# KiCad board LTC6811_ESP32_V5_Main.kicad_pcb (continued)
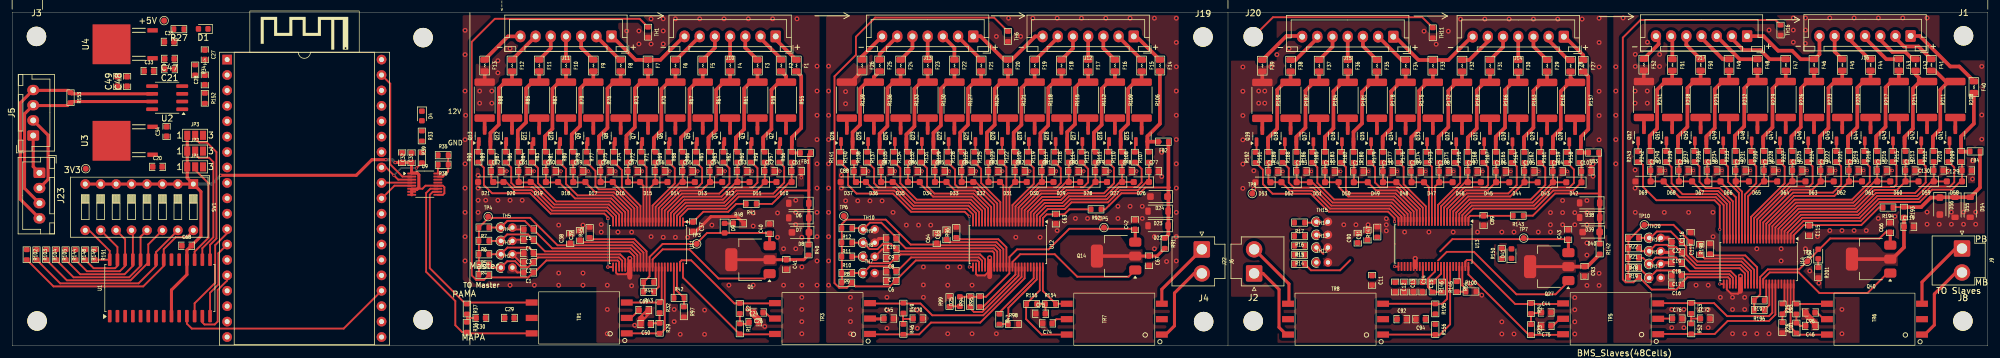
[diagram p0: board, top side]
## Routing (per net, layer and track width the routed paths; a pad name or vN(x,y) marks a point on that pad's centre or on a via; arc(x,y) is an arc through that point) (continued)
/Slaves/LTC6811_3/cell2/S: length 25.5
  Top w0.3: 228.55,20.48 228.55,21.33 226.76,23.12 216.99,23.12 214.04,26.07 210.84,26.07 210,26.92 210,29.27 209.03,30.25 R189.1
/Slaves/LTC6811_3/cell3/C: length 21.3
  Top w0.3: R185.1 D51.1 D50.2 218.2,26.2 219.78,24.62 227.38,24.62 230.05,21.95 230.05,20.48
/Slaves/LTC6811_3/cell3/C+: length 15.4
  Top w0.6: F36.2 R181.1 218.82,43.43 217.35,41.96 217.35,35.86 215.95,34.46 Q37.2 215.95,31.92 R185.2
/Slaves/LTC6811_3/cell3/S: length 21.9
  Top w0.3: R186.1 214.7,29.42 214.7,26.87 217.45,24.12 227.17,24.12 229.55,21.74 229.55,20.48
/Slaves/LTC6811_3/cell4/C: length 17.4
  Top w0.3: 231.05,20.48 231.05,22.36 227.79,25.62 224.35,25.62 D49.2 D50.1 R182.1
/Slaves/LTC6811_3/cell4/C+: length 15.5
  Top w0.6: R182.2 220.65,31.95 Q36.2 220.65,35.26 222.05,36.66 222.05,41.86 223.62,43.43 R178.1 F35.2
/Slaves/LTC6811_3/cell4/S: length 19.2
  Top w0.3: 230.55,20.48 230.55,22.16 227.59,25.12 219.99,25.12 219.4,25.71 219.4,29.45 R183.1
/Slaves/LTC6811_3/cell5/C: length 13.9
  Top w0.3: R179.1 D49.1 227.86,26.97 232.05,22.78 232.05,20.48
/Slaves/LTC6811_3/cell5/C+: length 15.4
  Top w0.6: R179.2 225.45,31.95 Q35.2 225.45,34.46 226.85,35.86 226.85,41.96 228.32,43.43 R175.1 F34.2
/Slaves/LTC6811_3/cell5/S: length 14.9
  Top w0.3: R180.1 224.2,29.45 224.2,26.92 224.99,26.12 228,26.12 231.55,22.57 231.55,20.48
/Slaves/LTC6811_3/cell6/C: length 12.1
  Top w0.3: R176.1 D48.1 D47.2 233.05,26.17 233.05,20.48
/Slaves/LTC6811_3/cell6/C+: length 15.3
  Top w0.6: R176.2 230.18,31.92 Q34.2 230.18,34.38 231.45,35.66 231.45,42.06 232.82,43.43 R172.1 F33.2
/Slaves/LTC6811_3/cell6/S: length 11.6
  Top w0.3: 232.55,20.48 232.55,22.98 228.9,26.63 228.9,29.47 228.12,30.25
/Slaves/LTC6811_3/cell7/C: length 12.2
  Top w0.3: D46.2 234.82,26.97 ; R173.1 D47.1 234.05,26.27 234.05,20.48
/Slaves/LTC6811_3/cell7/C+: length 15.5
  Top w0.6: F32.2 R169.1 237.62,43.43 236.25,42.06 236.25,36.06 234.65,34.46 Q33.2 234.65,32 R173.2
/Slaves/LTC6811_3/cell7/S: length 10.2
  Top w0.3: 232.65,30.25 232.82,30.25 233.55,29.52 233.55,20.48
/Slaves/LTC6811_3/cell8/C: length 14
  Top w0.3: 235.05,20.48 235.05,23.01 239.01,26.97 D46.1 ; D46.1 R170.1 ; D46.1 D45.2
/Slaves/LTC6811_3/cell8/C+: length 15.4
  Top w0.6: R170.2 Q32.2 239.45,34.36 240.93,35.83 240.93,42.13 242.23,43.43 R166.1 F31.2
/Slaves/LTC6811_3/cell8/S: length 11.6
  Top w0.3: R171.1 238.2,29.4 238.2,26.87 237.46,26.12 237.45,26.12 234.55,23.22 234.55,20.48
/Slaves/LTC6811_3/cell9/S: length 15.2
  Top w0.3: R168.1 242.8,29.45 242.8,26.51 242.41,26.12 238.87,26.12 235.55,22.8 235.55,20.48
/Slaves/LTC6811_3/cell10/C: length 20.9
  Top w0.3: R164.1 D44.1 ; D44.1 246.44,24.62 239.49,24.62 237.05,22.18 237.05,20.48 ; D44.1 D43.2
/Slaves/LTC6811_3/cell10/C+: length 15.5
  Top w0.6: F29.2 R160.1 251.61,43.42 250.25,42.06 250.25,35.96 248.7,34.41 Q30.2 248.7,31.96 R164.2
/Slaves/LTC6811_3/cell10/C-: length 15.4
  Top w0.6: R167.2 244.05,31.95 Q31.2 244.05,34.46 245.57,35.98 245.57,42.18 246.82,43.43 R163.1 F30.2
/Slaves/LTC6811_3/cell10/CM: length 17.4
  Top w0.3: D45.1 244.06,26.97 242.71,25.62 239.08,25.62 236.05,22.59 236.05,20.48 ; D45.1 246.26,26.97 D44.2 ; D45.1 R167.1
/Slaves/LTC6811_3/cell10/S: length 18.7
  Top w0.3: 236.55,20.48 236.55,22.39 239.28,25.12 246.11,25.12 247.5,26.51 247.5,29.57 246.84,30.23 246.73,30.23
/Slaves/LTC6811_3/cell11/C: length 24.3
  Top w0.3: D43.1 250.11,23.62 239.91,23.62 238.05,21.77 238.05,20.48 ; D43.1 D42.2 ; D43.1 R161.1
/Slaves/LTC6811_3/cell11/C+: length 15.7
  Top w0.6: F28.2 256.35,44.17 R157.1 256.21,43.42 254.75,41.96 254.75,35.76 253.45,34.46 Q29.2 R161.2
/Slaves/LTC6811_3/cell11/S: length 22.1
  Top w0.3: 237.55,20.48 237.55,21.97 239.7,24.12 249.81,24.12 252.2,26.51 252.2,29.38 R162.1
/Slaves/LTC6811_3/cell12/C: length 25.6
  Top w0.3: 258.15,30.23 D42.1 256.8,25.61 253.51,25.61 250.53,22.62 240.32,22.62 239.05,21.35 239.05,20.48
/Slaves/LTC6811_3/cell12/C+: length 15.5
  Top w0.6: FB3.2 258.05,31.86 Q28.2 258.05,34.46 259.27,35.68 259.27,44.4 F27.2
/Slaves/LTC6811_3/cell12/S: length 25.5
  Top w0.3: R159.1 256.9,29.08 256.9,26.85 256.16,26.11 253.31,26.11 250.32,23.12 240.11,23.12 238.55,21.56 238.55,20.48
/Slaves/LTC6811_3/DRIVE: length 26
  Top w0.3: Q27.1 256,10.61 253.89,8.5 247.45,8.5 240.45,15.5 235.99,15.5 234.55,14.06
/Slaves/LTC6811_3/IMA: length 16.2
  Top w0.3: 236.05,13.06 236.05,7.75 235.24,6.94 TR8.3
/Slaves/LTC6811_3/IMB: length 20.1
  Top w0.3: TR5.4 255.03,6.9 247.25,6.9 240,14.15 239.3,14.15 239.05,13.9 239.05,13.06
/Slaves/LTC6811_3/IPA: length 21.2
  Top w0.3: TR8.1 234.86,1.86 236.55,3.55 236.55,13.06
/Slaves/LTC6811_3/IPB: length 21
  Top w0.3: 239.55,13.06 239.55,11.76 249.49,1.82 255.03,1.82 TR5.6
/Slaves/LTC6811_3/T1: length 41.2
  Top w0.3: R13.2 213.66,12.45 218.44,12.45 220.11,14.12 ; TH11.1 231.96,54.16 207.41,54.16 203.45,50.2
/Slaves/LTC6811_3/T2: length 0.4
  Top w0.3: 227.7,10.47 228,10.78
/Slaves/LTC6811_3/T3: length 1.6
  Top w0.3: 215.69,15.15 214.54,16.3
/Slaves/LTC6811_3/T5: length 4.6
  Top w0.3: U13.33 232.05,10.53 C15.1 ; 214.53,20.26 214.54,20.25 ; R17.1 214.53,20.31
/Slaves/LTC6811_3/Vreg: length 30.6
  Top w0.3: 234.9,15.57 236.91,17.58 C43.1 ; U13.37 234.05,12.25 232.88,11.07 232.88,9.7 R146.2 R145.2 ; 246.7,16 246.69,15.99
  Top w0.5: 256,17.53 Q27.3
/Slaves/LTC6811_4/BAT+: length 21.2
  Top w0.3: R193.1 309.57,22.87 309.5,22.8
  Top w0.6: R193.1 314.02,22.87 315.6,24.44 D56.1 317.15,24.49 D54.1 323.7,26.09 323.7,31.78
/Slaves/LTC6811_4/C1: length 3.9
  Top w0.6: J17.1 273.1,50.84 F51.1
/Slaves/LTC6811_4/C1_G: length 4.8
  Top w0.6: F52.1 270.85,49.73 270.85,51.04
/Slaves/LTC6811_4/C2: length 4.8
  Top w0.6: F50.1 275.4,49.59 J17.2
/Slaves/LTC6811_4/C3: length 6.3
  Top w0.6: J17.3 277.9,50.74 281.4,47.24 F49.1
/Slaves/LTC6811_4/C4: length 8.3
  Top w0.6: F48.1 284.18,47.24 280.4,51.02
/Slaves/LTC6811_4/C5: length 10.7
  Top w0.6: F47.1 289.1,47.24 287.6,48.74 284.8,48.74 282.9,50.64 J17.5
/Slaves/LTC6811_4/C6: length 16.4
  Top w0.6: 285.85,51.04 288.1,51.04 290.5,48.64 292.8,48.64 294.2,47.24 F46.1 296.5,47.24 297.3,48.04 J16.0
/Slaves/LTC6811_4/C7: length 4.3
  Top w0.6: J16.1 299.8,48.49 F45.1
/Slaves/LTC6811_4/C8: length 5.4
  Top w0.6: F44.1 305.5,47.24 302.3,50.44 J16.2
/Slaves/LTC6811_4/C9: length 7.3
  Top w0.6: J16.3 304.8,50.74 308.3,47.24 F43.1
/Slaves/LTC6811_4/C10: length 7.8
  Top w0.6: J16.4 307.3,50.44 309.3,48.44 311.43,48.44 312.63,47.24 F42.1
/Slaves/LTC6811_4/C11: length 7.7
  Top w0.6: J16.5 309.8,50.74 311.2,49.34 313.6,49.34 F41.1
/Slaves/LTC6811_4/C12: length 13.5
  Top w0.6: F40.1 322.7,43.64 320.3,46.04 318.82,46.04 313.8,51.07 J16.6
/Slaves/LTC6811_4/cell1/C: length 22.5
  Top w0.3: R242.1 D69.1 D68.2 274.27,24.5 280.25,24.5 281.55,23.2 U14.24
/Slaves/LTC6811_4/cell1/C+: length 15.6
  Top w0.6: R242.2 269.38,32.18 Q52.2 269.38,34.6 270.6,35.82 270.6,42.22 271.94,43.56 R238.1 273.07,45.34 F51.2
/Slaves/LTC6811_4/cell1/S: length 32.2
  Top w0.3: U14.25 280.91,10.19 v1(280.9,10.2) ; v1(280.9,19.2) 280.9,23.14 280.04,24 270.48,24 268.27,26.2 268.27,29.8 267.73,30.35 R243.1
  Bottom w0.3: v1(280.9,10.2) v1(280.9,19.2)
/Slaves/LTC6811_4/cell2/C: length 19.1
  Top w0.3: R239.1 D68.1 D67.2 277.95,25.5 280.66,25.5 282.55,23.61 U14.22
/Slaves/LTC6811_4/cell2/C+: length 15.6
  Top w0.6: F50.2 R235.1 276.64,43.56 275.57,42.5 275.57,36.1 274.02,34.55 Q51.2 274.02,32.18 R239.2
/Slaves/LTC6811_4/cell2/S: length 20.2
  Top w0.3: U14.23 282.05,23.41 280.46,25 274.77,25 272.98,26.8 272.98,29.47 R240.1
/Slaves/LTC6811_4/cell3/C: length 15.9
  Top w0.3: U14.20 283.55,24.49 280.94,27.1 D67.1 R236.1
/Slaves/LTC6811_4/cell3/C+: length 15.6
  Top w0.6: R236.2 278.7,32.18 Q50.2 278.7,34.53 280.07,35.9 280.07,42.3 281.34,43.56 R232.1 F49.2
/Slaves/LTC6811_4/cell3/S: length 16.7
  Top w0.3: R237.1 277.57,29.55 277.57,27.02 278.59,26 280.87,26 283.05,23.82 U14.21
/Slaves/LTC6811_4/cell4/C: length 15.6
  Top w0.3: U14.18 284.55,25.43 283.52,26.45 D66.1 ; D66.1 D65.2 285.7,26.91 ; D66.1 R233.1
/Slaves/LTC6811_4/cell4/C+: length 15.6
  Top w0.6: R233.2 283.38,32.18 Q49.2 283.38,34.62 284.93,36.18 284.93,42.45 286.04,43.56 R229.1 F48.2
/Slaves/LTC6811_4/cell4/S: length 13.8
  Top w0.3: U14.19 284.05,25.22 282.27,26.99 282.27,29.53 R234.1
/Slaves/LTC6811_4/cell5/C: length 16.1
  Top w0.3: D64.2 D65.1 ; D65.1 288,27.1 285.55,24.65 U14.16 ; D65.1 R230.1
/Slaves/LTC6811_4/cell5/C+: length 15.5
  Top w0.6: R230.2 288.05,32.18 Q48.2 288.05,34.47 289.57,36 289.57,42.4 290.74,43.56 R226.1 F47.2
/Slaves/LTC6811_4/cell5/S: length 13.9
  Top w0.3: U14.17 285.05,24.95 286.9,26.8 286.9,29.57 R231.1
/Slaves/LTC6811_4/cell6/C: length 17.7
  Top w0.3: U14.14 286.55,21.05 292.6,27.1 D64.1 ; D64.1 D63.2 ; D64.1 R227.1
/Slaves/LTC6811_4/cell6/C+: length 15.6
  Top w0.6: R227.2 292.7,32.18 Q47.2 292.7,34.53 294.23,36.05 294.23,42.45 295.34,43.56 R223.1 F46.2
/Slaves/LTC6811_4/cell6/S: length 15.4
  Top w0.3: U14.15 286.05,21.26 291.57,26.78 291.57,29.55 R228.1
/Slaves/LTC6811_4/cell7/C: length 21.1
  Top w0.3: D63.1 297.48,27.1 296.12,25.75 292.66,25.75 287.55,20.64 U14.12 ; D63.1 R224.1 ; D63.1 D62.2
/Slaves/LTC6811_4/cell7/C+: length 15.6
  Top w0.6: F45.2 R220.1 299.84,43.56 298.77,42.5 298.77,35.9 297.35,34.47 Q46.2 297.35,32.18 R224.2
/Slaves/LTC6811_4/cell7/S: length 18.7
  Top w0.3: U14.13 287.05,20.84 292.46,26.25 295.62,26.25 296.18,26.8 296.18,29.6 R225.1
/Slaves/LTC6811_4/cell8/C: length 24.4
  Top w0.3: R221.1 D62.1 ; D62.1 299.75,24.7 293.11,24.7 288.55,20.14 U14.10 ; D62.1 D61.2
/Slaves/LTC6811_4/cell8/C+: length 15.6
  Top w0.6: F44.2 R217.1 304.54,43.56 303.52,42.55 303.52,36.05 302,34.53 Q45.2 302,32.18 R221.2
/Slaves/LTC6811_4/cell8/S: length 22.3
  Top w0.3: U14.11 288.05,20.35 292.95,25.25 299.52,25.25 300.88,26.6 300.88,29.6 300.1,30.38 R222.1
/Slaves/LTC6811_4/cell9/S: length 25.5
  Top w0.3: R219.1 305.57,29.5 305.57,27.02 302.66,24.1 293.21,24.1 289.05,19.94 U14.9
/Slaves/LTC6811_4/cell10/C: length 31.3
  Top w0.3: U14.6 290.55,19.31 293.84,22.6 303.28,22.6 306.38,25.7 310.05,25.7 D60.1 ; D59.2 D60.1 ; D60.1 R215.1
/Slaves/LTC6811_4/cell10/C+: length 16.8
  Top w0.6: R215.2 311.3,32.18 Q43.2 311.3,34.43 312.68,35.8 312.68,42.4 313.84,43.56 R211.1 314.28,43.56 313.1,44.74 F42.2
/Slaves/LTC6811_4/cell10/C-: length 15.6
  Top w0.6: R218.2 306.65,32.18 Q44.2 306.65,34.57 308.18,36.1 308.18,42.6 309.14,43.56 R214.1 F43.2
/Slaves/LTC6811_4/cell10/CM: length 27.8
  Top w0.3: D60.2 D61.1 ; D61.1 R218.1 ; D61.1 306.36,27.1 302.86,23.6 293.42,23.6 289.55,19.73 U14.8
/Slaves/LTC6811_4/cell10/S: length 28.8
  Top w0.3: R216.1 309.98,29.75 309.98,26.6 309.57,26.2 306.17,26.2 303.07,23.1 293.63,23.1 290.05,19.52 U14.7
/Slaves/LTC6811_4/cell11/C: length 34.7
  Top w0.3: R212.1 D59.1 ; D59.1 D58.2 ; D59.1 315.77,27.1 313.38,24.7 306.79,24.7 303.69,21.6 294.25,21.6 291.55,18.9 U14.4
/Slaves/LTC6811_4/cell11/C+: length 18.5
  Top w0.6: R212.2 315.95,32.18 Q42.2 315.95,34.47 317.18,35.7 317.18,42.2 318.54,43.56 R208.1 318.08,43.56 316.28,45.36 F41.2
/Slaves/LTC6811_4/cell11/S: length 32.2
  Top w0.3: U14.5 291.05,19.11 294.04,22.1 303.48,22.1 306.58,25.2 313.06,25.2 314.77,26.92 314.77,29.6 R213.1
/Slaves/LTC6811_4/cell12/C: length 35.9
  Top w0.3: 320.75,30.38 D58.1 320.48,27.1 319.12,25.75 315.84,25.75 313.79,23.7 307.21,23.7 304.11,20.6 294.7,20.6 292.55,18.45 U14.2
/Slaves/LTC6811_4/cell12/C+: length 11.9
  Top w0.6: 322.07,32 320.77,32 320.6,32.18 Q41.2 320.6,34.53 322.7,36.62 F40.2
/Slaves/LTC6811_4/cell12/S: length 35.7
  Top w0.3: U14.3 292.05,18.69 294.46,21.1 303.9,21.1 307,24.2 313.58,24.2 315.63,26.25 318.76,26.25 319.48,26.97 319.48,29.4 R210.1
/Slaves/LTC6811_4/DRIVE: length 25
  Top w0.3: Q40.1 308.5,12 305.2,8.7 297.3,8.7 293.9,12.1 289.12,12.1 288.05,11.03 U14.38
/Slaves/LTC6811_4/IMA: length 24.7
  Top w0.3: U14.41 289.55,5.45 289,4.9 282.1,4.9 279.96,7.04 270.72,7.04
/Slaves/LTC6811_4/IMB: length 13.7
  Top w0.3: U14.47 292.55,3.07 293.77,1.84 298.56,1.84 298.58,1.86
/Slaves/LTC6811_4/IPA: length 25.5
  Top w0.3: 270.92,1.96 280.06,1.96 282.2,4.1 289,4.1 290.05,5.15 U14.42
/Slaves/LTC6811_4/IPB: length 8.6
  Top w0.3: U14.48 293.05,7.35 R25.2 298.54,6.9 298.58,6.94
/Slaves/LTC6811_4/T1: length 88
  Top w0.3: 274.57,10.3 275.57,11.3 282.28,11.3 282.55,11.03 U14.27 ; C16.1 273.75,9.28 269.69,9.28 267.66,11.3 R18.2 266.7,10.47 265.43,10.47 264.95,10.95 264.95,50.79 267.86,53.7 290.07,53.7 TH16.1
/Slaves/LTC6811_4/T2: length 18.2
  Top w0.3: U14.28 283.05,11.24 282.49,11.8 274.77,11.8 274.14,12.43 270.52,12.43 TH17.1 267.6,12.9
/Slaves/LTC6811_4/T3: length 19.4
  Top w0.3: R20.1 268.3,14.5 TH18.1 270.35,14.55 273.72,14.55 C18.1 275.97,12.3 282.69,12.3 283.55,11.44 U14.29
/Slaves/LTC6811_4/T4: length 22
  Top w0.3: R21.1 268.02,15.6 TH19.1 270.35,16.65 272.2,16.65 272.58,16.28 273.72,16.28 274.6,15.4 ; U14.32 285.05,11.93 284.18,12.8 276.9,12.8 274.6,15.1 274.6,15.41
/Slaves/LTC6811_4/T5: length 24
  Top w0.3: 274.6,17.1 274.34,17.1 ; 274.6,17.1 272.85,18.85 270.55,18.85 269.5,17.8 ; 274.6,17.1 275.39,16.3 275.39,15.01 277.11,13.3 284.39,13.3 285.55,12.14 U14.33 ; TH20.1 R22.1
/Slaves/LTC6811_4/Vref2: length 33.6
  Top w0.3: U14.34 286.05,12.34 284.49,13.9 277.21,13.9 276.1,15.01 276.1,17.2 ; C116.1 273.27,19.95 268.42,19.95 265.88,17.41 265.88,11.7
/Slaves/LTC6811_4/Vreg: length 32.4
  Top w0.3: C66.1 308.18,18.72 307.16,17.7 299.06,17.7 293.96,12.6 288.8,12.6 287.55,11.35 U14.37 287.55,8.47 R197.2 R196.2
  Top w0.5: 308.95,18.7 Q40.3
Net-(C24-Pad1): length 3.4
  Top w0.3: R2.2 R1.1 120.95,3.62 C24.1
Net-(C26-Pad1): length 2.4
  Top w0.3: TR3.5 124.9,4.5 123.9,5.5 C26.1
Net-(C30-Pad2): length 2.9
  Top w0.3: 74.8,4.6 R37.2 ; 74.8,4.6 C30.2 ; 74.8,4.6 R36.1
Net-(C41-Pad1): length 13
  Top w0.5: Q1.4 C41.1 130.22,14.2 R40.2
Net-(C44-Pad1): length 3.6
  Top w0.3: R23.1 R24.2 249.92,5.4 251.57,5.4
Net-(C45-Pad1): length 2.2
  Top w0.5: 143.38,4.44 141.17,4.44
Net-(C46-Pad2): length 3.1
  Top w0.3: 295.02,3.3 294.12,3.3 293.5,3.93 R25.1
Net-(C50-Pad1): length 3.3
  Top w0.3: R32.2 R29.1 105.12,3.72 C50.1
Net-(C67-Pad1): length 11.7
  Top w0.5: R91.2 188.32,14.8 Q14.2
  Top w0.6: Q14.2 Q14.4
Net-(C69-Pad1): length 2.6
  Top w0.3: TR1.2 101.82,4.6 C69.1
Net-(C70-Pad1): length 3.5
  Top w0.3: 146.55,4.44 146.55,5.34 ; 146.55,4.44 146.55,3.49 ; 146.55,4.44 148.18,4.44
Net-(C72-Pad1): length 3.3
  Top w0.3: C72.1 276.2,4.5 ; 276.2,4.5 R52.1 ; 276.2,4.5 R53.2
Net-(C73-Pad2): length 3.1
  Top w0.3: C73.2 169.97,5.32 R154.1 R155.2
Net-(C74-Pad1): length 2.7
  Top w0.3: TR7.5 171.78,4.4 C74.1
Net-(C75-Pad1): length 2.4
  Top w0.3: TR5.5 254.61,4.46 253.55,3.4 253.12,3.4
Net-(C76-Pad1): length 2.4
  Top w0.3: 270.72,4.5 C76.1
Net-(C93-Pad1): length 12.3
  Top w0.5: R142.2 261.15,15.1 ; Q27.2 Q27.4
  Top w0.6: Q27.2 259.11,13.06 261.15,15.1
Net-(C96-Pad1): length 2.5
  Top w0.3: C96.1 296.9,5.5 298,4.4 TR6.5 298.58,4.4
Net-(C119-Pad1): length 14.3
  Top w0.6: Q40.4 Q40.2 309.26,14.3 311.2,16.24 R193.2
Net-(D9-K): length 1.5
  Top w0.3: D9.1 118.66,20.19
Net-(D25-K): length 1.7
  Top w0.3: D25.1 154.22,6.51
Net-(D41-K): length 0
  Top w0.3: 245.05,14.41 R150.1
Net-(D57-K): length 1.5
  Top w0.3: R201.1 D57.1
Net-(J6-Pin_1): length 11.7
  Top w0.5: TR7.3 189.12,9.32 J6.1
Net-(J6-Pin_2): length 13.9
  Top w0.5: J6.2 194.44,11.94 191.2,8.7 191.2,3.3 189.76,1.86 TR7.1
Net-(J9-Pin_1): length 12.4
  Top w0.5: TR6.3 314.17,10.51 319.66,16 320.75,16
Net-(J9-Pin_2): length 13.8
  Top w0.5: 320.75,12.04 319.7,12.04 316.2,8.54 316.2,3.44 314.62,1.86 TR6.1
Net-(J22-Pin_1): length 13.5
  Top w0.5: 210.03,1.86 209.59,1.86 208.4,3.05 208.4,9.3 205.76,11.94 204.35,11.94
Net-(J22-Pin_2): length 11.3
  Top w0.5: 210.03,6.94 210.03,10.22 204.35,15.9
Net-(JP1-C): length 17.2
  Top w0.3: JP1.2 30.1,29 32.3,26.8 32.3,17.81 30.02,15.53 U1.17
Net-(JP2-C): length 20.9
  Top w0.3: JP2.2 30.1,31.6 30.7,31 32.4,31 33.1,30.3 33.1,17.91 31.28,16.09 U1.16
Net-(JP3-C): length 23.1
  Top w0.3: 32.56,14.2 32.56,16.66 33.6,17.7 33.6,31.95 32.05,33.5 30.8,33.5 30.1,34.2 JP3.2
Net-(Q2-D): length 2
  Top w0.6: Q2.3 127.3,37.57
Net-(Q2-G): length 1.8
  Top w0.5: Q2.1 126.2,33.51 R57.2
Net-(Q3-D): length 2
  Top w0.6: Q3.3 122.6,37.57
Net-(Q3-G): length 1.8
  Top w0.5: Q3.1 121.5,33.51 R60.2
Net-(Q4-D): length 2
  Top w0.6: Q4.3 118.1,37.57
Net-(Q4-G): length 1.8
  Top w0.5: Q4.1 117,33.51 R63.2
Net-(Q5-D): length 2
  Top w0.6: Q5.3 113.6,37.57
Net-(Q5-G): length 1.8
  Top w0.5: Q5.1 112.5,33.51 R66.2
Net-(Q6-D): length 2
  Top w0.6: Q6.3 109.1,37.57
Net-(Q6-G): length 1.8
  Top w0.5: R69.2 108,33.51 Q6.1
Net-(Q7-D): length 2
  Top w0.6: Q7.3 104.6,37.57
Net-(Q7-G): length 1.8
  Top w0.5: R72.2 103.5,33.51 Q7.1
Net-(Q8-D): length 2
  Top w0.6: Q8.3 100.1,37.57
Net-(Q8-G): length 1.8
  Top w0.5: Q8.1 99,33.51 R75.2
Net-(Q9-D): length 2
  Top w0.6: Q9.3 95.6,37.57
Net-(Q9-G): length 1.8
  Top w0.5: Q9.1 94.5,33.51 R78.2
Net-(Q10-D): length 2
  Top w0.6: Q10.3 91.1,37.57
Net-(Q10-G): length 1.8
  Top w0.5: R81.2 90,33.51 Q10.1
Net-(Q11-D): length 2
  Top w0.6: Q11.3 86.7,37.57
Net-(Q11-G): length 1.8
  Top w0.5: Q11.1 85.5,33.41 R84.2
Net-(Q12-D): length 2
  Top w0.6: Q12.3 82.22,37.57
Net-(Q12-G): length 1.8
  Top w0.5: R87.2 81.2,33.59 81.28,33.66
Net-(Q13-D): length 2
  Top w0.6: Q13.3 77.72,37.57
Net-(Q13-G): length 1.8
  Top w0.5: 76.78,33.66 76.67,33.56 R90.2
Net-(Q15-D): length 2
  Top w0.6: Q15.3 R106.2
Net-(Q15-G): length 1.8
  Top w0.3: R108.2 184.7,33.51 Q15.1
Net-(Q16-D): length 2
  Top w0.6: Q16.3 R109.2
Net-(Q16-G): length 1.8
  Top w0.3: R111.2 180.3,33.51 Q16.1
Net-(Q17-D): length 2
  Top w0.6: Q17.3 R112.2
Net-(Q17-G): length 1.8
  Top w0.3: R114.2 176.05,32.07 Q17.1
Net-(Q18-D): length 2
  Top w0.6: Q18.3 R115.2
Net-(Q18-G): length 1.8
  Top w0.3: R117.2 171.65,32.07 Q18.1
Net-(Q19-D): length 2
  Top w0.6: Q19.3 R118.2
Net-(Q19-G): length 1.8
  Top w0.3: Q19.1 167.25,32.07 R120.2
Net-(Q20-D): length 2
  Top w0.6: Q20.3 R121.2
Net-(Q20-G): length 1.8
  Top w0.3: Q20.1 162.85,32.07 R123.2
Net-(Q21-D): length 2
  Top w0.6: Q21.3 R124.2
Net-(Q21-G): length 1.8
  Top w0.3: Q21.1 158.45,32.07 R126.2
Net-(Q22-D): length 2
  Top w0.6: Q22.3 R127.2
Net-(Q22-G): length 1.8
  Top w0.3: R129.2 154.05,32.07 Q22.1
Net-(Q23-D): length 2
  Top w0.6: R130.2 Q23.3
Net-(Q23-G): length 1.8
  Top w0.3: Q23.1 149.65,32.07 R132.2
Net-(Q24-D): length 2
  Top w0.6: Q24.3 R133.2
Net-(Q24-G): length 1.8
  Top w0.3: Q24.1 145.2,32.07 R135.2
Net-(Q25-D): length 2
  Top w0.6: Q25.3 R136.2
Net-(Q25-G): length 1.8
  Top w0.3: Q25.1 140.8,32.07 R138.2
Net-(Q26-D): length 2
  Top w0.6: Q26.3 R139.2
Net-(Q26-G): length 1.8
  Top w0.3: Q26.1 136.35,32.07 R141.2
Net-(Q28-D): length 2
  Top w0.6: Q28.3 R157.2
Net-(Q28-G): length 1.9
  Top w0.3: Q28.1 256.15,32.28 R159.2
Net-(Q29-D): length 2
  Top w0.6: Q29.3 R160.2
Net-(Q29-G): length 1.8
  Top w0.3: R162.2 251.55,32.08 Q29.1
Net-(Q30-D): length 2
  Top w0.6: Q30.3 R163.2
Net-(Q30-G): length 1.8
  Top w0.3: Q30.1 246.8,31.98 R165.2
Net-(Q31-D): length 2
  Top w0.6: Q31.3 R166.2
Net-(Q31-G): length 1.8
  Top w0.3: Q31.1 242.15,32.05 R168.2
Net-(Q32-D): length 2
  Top w0.6: R169.2 Q32.3
Net-(Q32-G): length 1.8
  Top w0.3: Q32.1 237.55,32.1 R171.2
Net-(Q33-D): length 2
  Top w0.6: Q33.3 R172.2
Net-(Q33-G): length 1.8
  Top w0.3: Q33.1 232.75,31.95 R174.2
Net-(Q34-D): length 2
  Top w0.6: Q34.3 R175.2
Net-(Q34-G): length 1.8
  Top w0.3: Q34.1 228.27,32.07 R177.2
Net-(Q35-D): length 2
  Top w0.6: Q35.3 R178.2
Net-(Q35-G): length 1.8
  Top w0.3: Q35.1 223.55,32.05 R180.2
Net-(Q36-D): length 2
  Top w0.6: Q36.3 R181.2
Net-(Q36-G): length 1.8
  Top w0.3: R183.2 218.75,32.05 Q36.1
Net-(Q37-D): length 2
  Top w0.6: Q37.3 R184.2
Net-(Q37-G): length 1.8
  Top w0.3: R186.2 214.05,32.07 Q37.1
Net-(Q38-D): length 2
  Top w0.6: R187.2 Q38.3
Net-(Q38-G): length 1.9
  Top w0.3: R189.2 209.35,32.25 Q38.1
Net-(Q39-D): length 2
  Top w0.6: Q39.3 R190.2
Net-(Q39-G): length 1.8
  Top w0.3: Q39.1 204.7,32.03 R192.2
Net-(Q41-D): length 2
  Top w0.6: Q41.3 R208.2
Net-(Q41-G): length 1.8
  Top w0.3: Q41.1 318.7,32.07 318.65,32.03
Net-(Q42-D): length 2
  Top w0.6: R211.2 Q42.3
Net-(Q42-G): length 1.8
  Top w0.3: R213.2 314.05,32.07 Q42.1
Net-(Q43-D): length 2
  Top w0.6: R214.2 Q43.3
Net-(Q43-G): length 1.8
  Top w0.3: R216.2 309.4,32.07 Q43.1
Net-(Q44-D): length 2
  Top w0.6: Q44.3 R217.2
Net-(Q44-G): length 1.8
  Top w0.3: Q44.1 304.75,32.07 R219.2
Net-(Q45-D): length 2
  Top w0.6: R220.2 Q45.3
Net-(Q45-G): length 1.8
  Top w0.3: R222.2 300.1,32.07 Q45.1
Net-(Q46-D): length 2
  Top w0.6: R223.2 Q46.3
Net-(Q46-G): length 1.8
  Top w0.3: Q46.1 295.45,32.07 R225.2
Net-(Q47-D): length 2
  Top w0.6: R226.2 Q47.3
Net-(Q47-G): length 1.8
  Top w0.3: Q47.1 290.8,32.07 R228.2
Net-(Q48-D): length 2
  Top w0.6: R229.2 Q48.3
Net-(Q48-G): length 1.8
  Top w0.3: Q48.1 286.15,32.07 R231.2
Net-(Q49-D): length 2
  Top w0.6: R232.2 Q49.3
Net-(Q49-G): length 1.8
  Top w0.3: Q49.1 281.48,32.07 R234.2
Net-(Q50-D): length 2
  Top w0.6: R235.2 Q50.3
Net-(Q50-G): length 1.8
  Top w0.3: Q50.1 276.8,32.07 R237.2
Net-(Q51-D): length 2
  Top w0.6: R238.2 Q51.3
Net-(Q51-G): length 1.8
  Top w0.3: Q51.1 272.12,32.07 R240.2
Net-(Q52-D): length 2
  Top w0.6: R241.2 Q52.3
Net-(Q52-G): length 1.8
  Top w0.3: R243.2 267.48,32.05 Q52.1
Net-(U1-GPA0): length 34.7
  Top w0.3: R102.2 6.8,9.8 21.56,9.8 24.94,13.18 24.94,15.94 26.9,17.9 28.65,17.9 SW1.16
Net-(U1-GPA1): length 29.8
  Top w0.3: SW1.15 23.66,15.45 U1.22 23.66,13.18 20.79,10.3 7.9,10.3 R103.2
Net-(U1-GPA2): length 25.7
  Top w0.3: R104.2 9,10.8 19.46,10.8 22.4,13.73 22.4,16.72 SW1.14
Net-(U1-GPA3): length 22.2
  Top w0.3: R105.2 10.1,11.3 19.25,11.3 21.12,13.18 U1.24 21.12,17.99 SW1.13
Net-(U1-GPA4): length 18.6
  Top w0.3: SW1.12 19.85,18.83 U1.25 19.85,13.18 18.48,11.8 11.2,11.8 R144.2
Net-(U1-GPA5): length 15.8
  Top w0.3: R148.2 12.3,12.3 17.71,12.3 18.59,13.18 U1.26 18.59,17.56 SW1.11
Net-(U1-GPA6): length 13.1
  Top w0.3: SW1.10 17.31,16.29 U1.27 17.31,13.18 16.94,12.8 13.4,12.8 R149.2
Net-(U1-GPA7): length 8.8
  Top w0.3: 16.05,14.75 16.05,15.66 12.65,19.05 SW1.9 ; U1.28 R151.2
Net-(U9-IBIAS): length 1.5
  Top w0.3: U9.16 70.03,29.8 R38.2
Net-(U9-ICMP): length 5.9
  Top w0.3: 70.85,27.9 71.72,28.77 71.72,31.44 ; 70.85,27.9 U9.15 ; 70.85,27.9 71.65,28.7
Net-(U11-DTEN): length 12.9
  Top w0.3: R45.1 95.3,17.57 102.35,17.57 104.35,15.58 U11.36
Net-(U11-IBIAS): length 5.1
  Top w0.3: R42.1 108.85,7.93 U11.45
Net-(U11-ICMP): length 7.1
  Top w0.3: R97.1 110.53,6.45 R42.2 109.35,9.07 U11.46
Net-(U11-ISOMD): length 4.4
  Top w0.3: R43.1 106.35,9.72 U11.40
Net-(U11-V+): length 11.3
  Top w0.3: U11.1 112.01,20.41 113.7,22.1 117.8,22.1 119.1,23.4 120.38,23.4
Net-(U11-Vref1): length 13.7
  Top w0.3: C39.1 93.75,17.07 102.15,17.07 103.85,15.37 U11.35
Net-(U11-WDT): length 2.6
  Top w0.3: U11.39 105.85,10.82 R44.1
Net-(U12-DTEN): length 12.2
  Top w0.3: U12.36 163.55,16.25 162.22,17.57 155.6,17.57 R96.1
Net-(U12-IBIAS): length 10.1
  Top w0.3: U12.45 168.05,11.16 162.4,5.51 R47.1
Net-(U12-ICMP): length 14.9
  Top w0.3: R47.2 162.43,3.6 R98.1 163.88,6.28 167.6,10 ; 167.6,10 168.55,10.95 U12.46 ; 167.6,10 166.1,8.5
Net-(U12-ISOMD): length 12.4
  Top w0.3: U12.40 165.55,11.55 159.6,5.6 158.2,5.6 157.6,6.2 R94.1
Net-(U12-V+): length 9.2
  Top w0.3: 169.56,20.4 U12.1 169.55,21.05 170.18,21.68 173.07,21.68 173.9,22.5 R92.2
Net-(U12-Vref1): length 13
  Top w0.3: C65.1 154.15,17.07 161.93,17.07 163.05,15.95 U12.35
Net-(U12-WDT): length 9.3
  Top w0.3: U12.39 165.05,11.76 159.75,6.46 R95.1
Net-(U13-IBIAS): length 2.6
  Top w0.3: 238.05,13.06 238.05,10.98 R54.1
Net-(U13-ICMP): length 5.8
  Top w0.3: R54.2 239.12,8.93 ; R100.1 239.15,9.36 238.55,9.96 238.55,13.06
Net-(U13-ISOMD): length 2.7
  Top w0.3: U13.40 235.55,10.88 R145.1
Net-(U13-V+): length 8.1
  Top w0.3: 239.55,20.48 239.55,21.14 239.84,21.43 C89.1 246.9,21.43
Net-(U13-WDT): length 3.1
  Top w0.3: R146.1 235.05,11.88 U13.39
Net-(U14-DTEN): length 11.4
  Top w0.3: R198.1 279.57,14.9 285.1,14.9 287.05,12.95 U14.36
Net-(U14-IBIAS): length 3.4
  Top w0.3: U14.45 291.55,7.28 R93.1
Net-(U14-ICMP): length 6.7
  Top w0.3: U14.46 292.05,6.12 R93.2 R101.1
Net-(U14-ISOMD): length 4.6
  Top w0.3: R196.1 289.05,6.72 U14.40
Net-(U14-V+): length 17.3
  Top w0.3: U14.1 293.05,18.25 294.7,19.9 304.18,19.9 307.07,22.8 307.85,22.8
Net-(U14-Vref1): length 12.3
  Top w0.3: C117.1 278.43,14.4 284.7,14.4 286.55,12.55 U14.35
Net-(U14-WDT): length 2.8
  Top w0.3: R197.1 288.55,7.82 U14.39

## Copper pours and planes (outline as drawn; the poured copper is in the pictures)
GND_PACK on Top, Bottom: 74.1,54.9 74.1,10.9 75.4,9.7 96.1,9.7 96.1,0.1 132.8,-0.3 132.8,54.7
GND_PACK on Top, Bottom: 200,54.96 200,-0.04 262.4,-0.04 262.4,54.86
GND_PACK on Top, Bottom: 263.4,54.95 263.4,-0.05 303.9,0.05 303.9,8.95 311.5,8.95 311.5,18.49 325,18.49 325,55.05
GND_PACK on Top, Bottom: 133.9,54.9 133.9,-0.1 191.9,0 191.9,54.9
Net-(C41-Pad1) on Top: 125.8,15.4 123.6,15.4 122.7,16.7 121.9,17.8 114,17.8 114,11.7 122.8,11.7 124,13.2 125.8,13.2
Net-(C67-Pad1) on Top: 185.95,16.1 183.65,16.1 182.25,18.2 172.4,18.2 172.4,11.8 182.55,11.8 183.95,13.6 185.95,13.6
Net-(C93-Pad1) on Top: 257.25,14.36 255.15,14.36 252.75,16.76 243.75,16.76 243.75,13.3 247.85,9.26 252.55,9.26 255.35,12.06 257.25,12.06
Net-(C119-Pad1) on Top: 310.2,15.6 307.9,15.6 306,17.5 299.9,17.44 298.2,15.74 298.2,9.5 304.5,9.5 308,13 310.2,13

## Text on the board
B.Silkscreen: BMS_Master / LTC6811_ESP32_V3 / 2024/08/06
F.Silkscreen: V-cut--> | 12V / GND | 12V / GND / CANH / CANL | TO Master | PA | MA | Master | - | + | BMS_Slaves(48Cells) / 2024/08/06 / LTC6811_ESP32_V5 | TO Slaves | PB | MB
